# KiCad board digital_board_v1.kicad_pcb (continued)
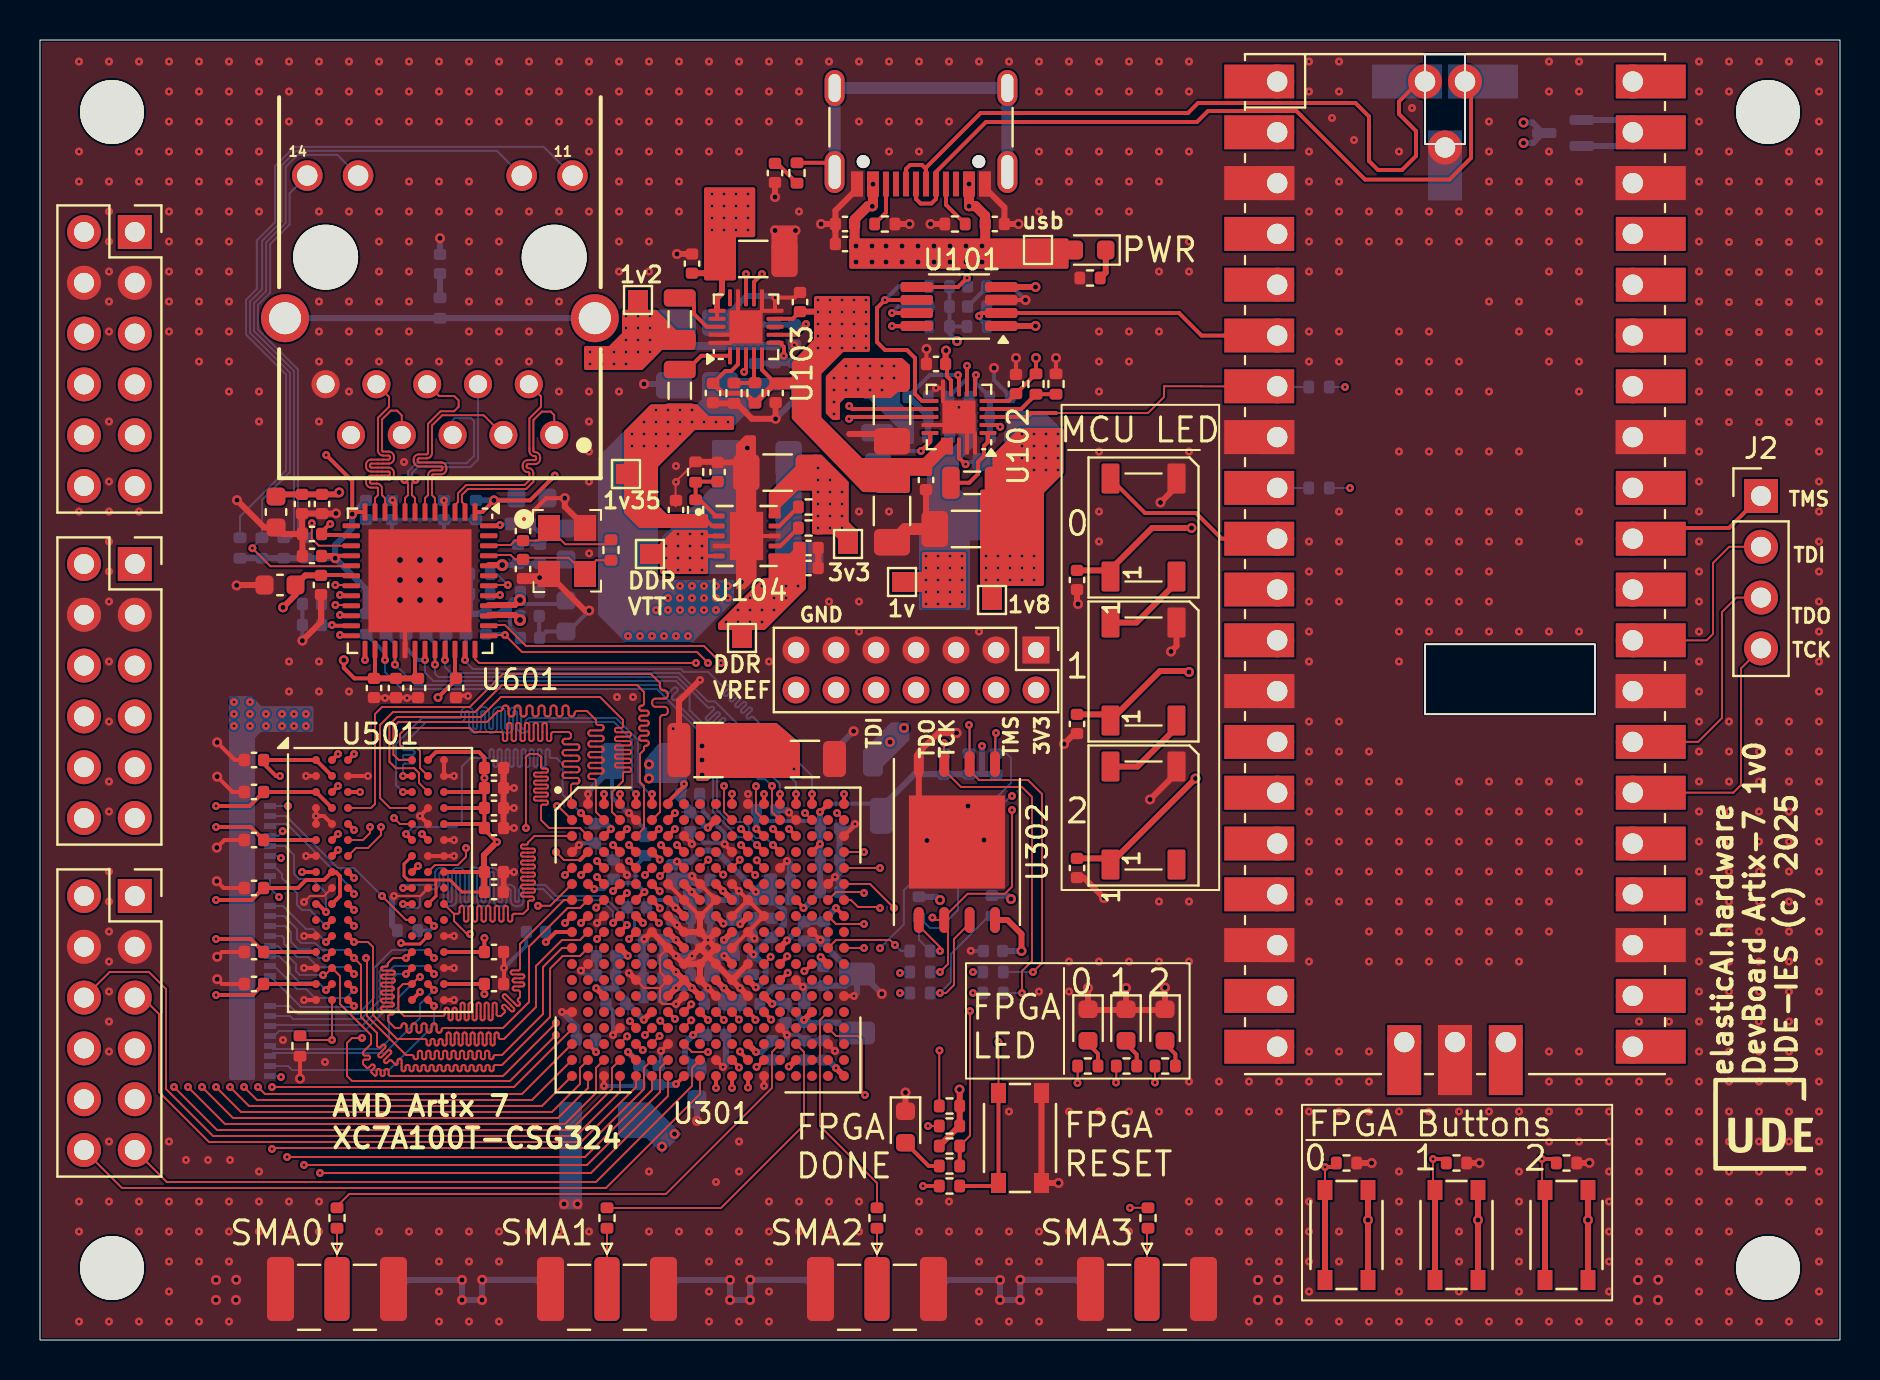
[diagram p0: board, top side]
## Routing (per net, layer and track width the routed paths; a pad name or vN(x,y) marks a point on that pad's centre or on a via; arc(x,y) is an arc through that point) (continued)
VCC_3V3: length 170.1
  F.Cu (signal) w0.1: v1(39.5,40.6) v1(40.1,40.6) v1(40.1,41.2) v1(40.1,41.8) v1(40.1,42.4) ; v1(39.5,40.6) R121.1 ; v1(39.5,40.6) v1(39.5,41.2) v1(39.5,41.8) v1(39.5,42.4) v1(39.5,43)
  F.Cu (signal) w0.2: v1(30.22,22.4) 30.2,22.4 U301.G5 ; U301.A7 31.4,26.9 32.2,27.7 v1(32.2,27.8) ; v1(38.18,21.6) 38.13,21.65 38.13,21.67 U301.G15 ; U601.12 15.72,41.4 v2(15.61,41.29) 15.61,42.95 v1(14.31,44.25) ; v1(25.74,43.22) 24.5,41.98 v2(22.7,41.98) 22.12,41.4 U601.1 ; U301.R9 v1(32.65,15.25) ; 38.49,43.4 38.49,43.26 36.73,41.5 U104.10 ; U301.D6 30.61,24.4 v1(30.99,24.02) ; U301.J1 25.79,20.4 v1(25.29,19.9) ; U601.34 20.75,33.13 C603.1 20.8,33.03 v4(19.9,32.12) ; U301.U5 v1(29.4,14.4) ; U301.D16 v1(39,24.8) ; U301.H18 v1(39.8,21.6) ; v1(39,26.4) U301.A17 ; v1(27.71,22.55) 27.46,22.8 U301.F2 ; v2(14.76,39.09) 14.88,39.21 U601.16 ; U301.C3 v1(28.55,25.55) ; U301.K14 37,19.62 ; v1(36.61,16.81) 36.59,16.81 ; U301.T2 v1(27.8,14.4) ; v1(35.81,25.56) 36.18,25.2 U301.C13 ; R404.1 v1(44.15,7.7) ; v1(37.44,13.67) 37.47,13.67 ; U301.V8 v1(31.8,12.8)
  F.Cu (signal) w0.3: v2(14.76,39.09) 14.65,39.2 C605.1 ; 38.94,42.95 38.49,43.4 ; U301.T12 v1(35.8,14.4) ; U301.N3 v1(27.81,17.59) ; U301.P6 30.58,16.4 v1(30.19,16.01) ; U301.K14 37,19.63 v1(37.35,19.98) ; U301.P16 v1(38.2,16) ; 22.44,36.75 23.75,36.75 v3(24,37) ; S303.2 v2(77.4,6) S303.1 ; S302.2 v2(71.9,6) S302.1 ; 36.59,16.81 U301.N13 ; S301.1 v2(66.4,6) S301.2 ; v2(49.07,19.45) 49.07,20.3 48.38,21 U302.8 ; U301.K4 v1(29.39,19.21) ; 37.47,13.67 U301.U15 ; v1(39.8,13.6) U301.V18 ; v1(39.03,19.15) 39.38,18.8 U301.L17 ; R401.1 45.97,10.7 R405.1 R403.1 45.99,12.51 v2(45.97,12.53) ; v1(33.39,25.62) 33.78,26 U301.B10
  F.Cu (signal) w0.5: R121.1 R124.1 38.94,42.95
  In1.Cu (GND) w0.1: 39.5,48.2 39.6,48.1 40.2,48.1 40.3,48.2
  In4.Cu (PWR) w0.2: 31.02,24 30.37,24 29.8,23.43 29.8,22.82 v1(30.22,22.4)
  B.Cu (signal) w0.1: v1(39.7,47.5) v1(39.7,46.9) v1(39.7,46.3) ; v1(39.7,47.5) v1(39.7,48.1) ; v1(39.7,47.5) v1(40.3,47.5) v1(40.3,48.1) v1(40.3,48.7) v1(40.9,48.7) ; v1(42.7,48.1) v1(42.1,48.1) v1(42.1,48.7) ; v1(42.1,47.5) v1(41.5,47.5) v1(41.5,48.1) v1(41.5,48.7) ; 36.05,26.42 35.89,26.42 C308.2 ; v1(40.9,48.7) v1(41.5,48.7) ; v1(40.9,48.7) v1(40.9,48.1) v1(40.9,47.53) ; v1(41.5,48.7) v1(42.1,48.7) ; v1(42.1,48.7) v1(42.7,48.7)
  B.Cu (signal) w0.2: 29.77,22.85 29.77,23.71 30.26,24.19 C316.2 30.8,24.21 v1(30.99,24.02) ; 29.77,22.85 28.48,22.85 28.18,22.55 v1(27.71,22.55) ; 29.77,22.85 v1(30.22,22.4) ; C601.1 26.12,36.8 24.2,36.8 v3(24,37) 23.8,37 23.5,36.7 23.5,35.62 C602.1 ; C318.2 25.29,20.39 v1(25.29,19.9) ; 30.4,28.12 v2(30.45,28.07) v2(30.45,28.78) ; 31.15,28.95 C321.2 ; C314.2 42.07,26.54 41.8,26.81 41.8,26.82 39.42,26.82 v1(39,26.4) 39,25.95 35.87,25.95 35.82,26
  B.Cu (signal) w0.3: v1(39.8,21.6) 39.18,20.98 C311.2 C312.2 38.22,20.85 v1(37.35,19.98) ; 47.1,28.29 R320.1 ; 47.1,28.29 R319.1 R317.1 43.72,28.29 42.07,26.64 ; 47.1,28.29 v1(47.1,29.7) ; R607.2 R608.2 R601.2 R602.2 R603.2 R604.2 16.3,37.55 v2(14.76,39.09) ; R607.2 R615.2 22.97,36.31 23.66,37 v3(24,37) 24,37.38 C604.1 ; R607.2 21.49,36.5 R609.2 R616.2 ; v2(14.76,39.09) 14.76,39.75 15.61,40.6 v2(15.61,41.29) C607.1 ; v2(14.76,39.09) R606.2 R611.2 R605.2 R610.2 ; v2(45,22) 44.84,22.16 R318.1 ; 28.74,17.58 28.79,17.63 C327.2 ; 28.74,17.58 27.82,17.58 v1(27.81,17.59) ; 28.74,17.58 29.26,17.06 C323.2 29.4,16.8 v1(30.19,16.01) ; 28.74,17.58 28.74,18.2 C327.2 ; 38.22,15.87 38.2,15.9 v1(38.2,16) ; 38.22,15.87 38.22,15.88 C302.2 36.63,16.83 v1(36.61,16.81) ; 38.22,15.87 39.93,15.87 40.45,15.35 C307.2 ; C303.2 36.62,14.94 36.08,14.4 v1(35.8,14.4) ; C301.2 39.03,18.82 v1(39.03,19.15) ; C327.2 C322.2 28.81,19.21 v1(29.39,19.21) ; v1(33.39,25.62) 33.32,25.62 32.56,26.38 C317.2 32.5,26.55 32.02,27.03 C319.2 32.2,27.48 v1(32.2,27.8) 32.2,28.33 C321.2 ; v2(49.07,19.45) C144.1 ; v1(31.8,12.8) 31.76,12.76 C324.2 C326.2 29.97,13.83 v1(29.4,14.4) ; C308.2 35.82,25.57 v1(35.81,25.56) ; v1(27.8,14.4) 27.78,14.42 C325.2 ; C402.1 32.66,15.26 v1(32.65,15.25) 32.25,14.85 32.25,14.19 C401.1 ; C305.2 39.4,14 v1(39.8,13.6) ; v1(39,26.4) v1(39,24.8) 39.01,24.79 39.01,22.4 39,22.4 38.2,21.6 v1(38.18,21.6) ; R316.1 48.38,22.22 v2(48.55,22.05) ; C606.1 23.71,41.98 v2(22.7,41.98) C608.1 ; C315.2 28.29,25.81 v1(28.55,25.55) ; C328.2 29.78,11 v2(31.1,9.68) v2(31.72,10.3)
  B.Cu (signal) w0.5: R111.1 43.39,45.18
  vias: v1(38.9,43.6) v1(38.9,43) v1(38.9,42.4) v1(38.9,41.8) v1(38.9,41.2) v1(38.9,40.6)
/Board PWR/EN_1V: length 14.8
  F.Cu (signal) w0.2: U102.13 40.54,46.15 v1(40.45,46.06) ; U101.8 v1(42.6,50.7)
  In5.Cu (signal) w0.2: v1(42.6,50.7) 43.7,49.6 43.7,47.4 42.35,46.05 40.46,46.05 v1(40.45,46.06)
  B.Cu (signal) w0.2: v1(42.6,50.7) 42.62,50.67 R102.2
/Board PWR/EN_1V8: length 14.8
  F.Cu (signal) w0.2: v1(40.46,46.7) 40.61,46.55 U102.12 ; U101.7 v1(42.6,51.35)
  In5.Cu (signal) w0.2: v1(40.46,46.7) 42.2,46.7 43.2,47.7 43.2,49.4 42.1,50.5 42.1,50.9 42.55,51.35 v1(42.6,51.35)
  B.Cu (signal) w0.2: v1(42.6,51.35) 42.93,51.67 R103.2
/Board PWR/EN_3V3: length 11.3
  F.Cu (signal) w0.2: U101.6 v1(42.25,52) 41.85,51.6 41.85,49.9 42.25,49.5 43.35,49.5 43.75,49.1 43.75,47.3 44.1,46.95 U102.11
  B.Cu (signal) w0.2: v1(42.25,52) 42.93,52.67 R104.2
/DDR3_VTT: length 13
  F.Cu (signal) w0.2: v1(32.5,39.1) v1(32.5,38.5) ; v1(33.1,40.3) 33.2,40.2 U104.3 ; v1(33.1,38.5) v1(33.1,39.1) 33.2,39.2 U104.5
  In4.Cu (PWR) w0.1: 9.85,31.15 9.85,31.25 9.9,31.3 9.9,31.96 9.89,31.97 9.86,31.97 9.85,31.96
  B.Cu (signal) w0.1: 9.95,21.65 9.95,30.45 v1(9.7,30.7)
  vias: v1(9.7,31.9) v1(9.7,31.3) v1(10.5,31.9) v1(10.5,31.3) v1(10.5,30.7) v1(11.3,31.3) v1(11.3,30.7) v1(12.1,31.3) v1(12.1,30.7) v1(12.7,31.3) v1(12.7,30.7) v1(13.3,31.3) v1(13.3,30.7) v1(31.3,39.7) v1(31.3,39.1) v1(31.3,38.5) v1(31.9,40.3) v1(31.9,39.7) v1(31.9,39.1) v1(31.9,38.5) v1(32.5,40.3) v1(32.5,39.7) v1(33.1,39.7)
/DDR_VDD: length 142.7
  F.Cu (signal) w0.1: 32.1,37.7 32,37.8 ; 33.8,37.8 33.7,37.7 ; 33.1,37.7 33.2,37.8 33.3,37.7 ; 32.1,37.1 32,37.2 31.9,37.1 ; C506.2 22.02,27.4 ; 32.5,37.7 32.6,37.8 32.7,37.7 ; 22.02,25.8 C505.2 ; 32.6,37.2 32.5,37.1
  F.Cu (signal) w0.15: C502.2 21.1,22.4 20.5,23 19.8,23 ; 19.8,23 19.8,22.2 U501.K8 ; 19.8,23 18.4,23 18.2,23.2 18.2,23.8 U501.G7
  F.Cu (signal) w0.2: U501.F1 C513.2 10.53,25.65 v1(8.8,25.65) ; U501.N9 C510.2 v1(22.22,20.1) ; v1(22.85,24.9) 22.22,25.53 C505.2 C503.2 ; U501.D2 U501.C1 C512.2 10.48,26.7 v1(8.8,26.7) ; U501.B2 U501.A1 C511.2 11.18,28.82 11.8,28.2 v1(12,28.2) ; v1(8.8,17.25) 10.63,17.25 C509.2 U501.R1 ; C503.2 C506.2 v1(22.22,28.1) C501.2 22.22,29.13 21.95,29.4 19.8,29.4 U501.A8 ; C503.2 U501.D9 ; C504.2 U501.H9 ; v1(22.22,17.3) C507.2 U501.R9 ; 32.2,46.4 32.35,46.4 ; v1(32,45.9) v1(32,45.3) ; U104.2 33.6,40.7 33.31,40.99 R122.1 32.68,40.89 31.83,40.89 31.8,40.92 ; U501.E9 22.02,25.8 ; v1(30.8,45.9) v1(30.8,46.5) ; v1(8.8,22) 10.58,22 C514.2 12.9,22.6 13.3,23 14.2,23 U501.H2 14.79,23.4 15,23.19 15,22.2 U501.K2 ; U501.N1 C508.2 10.53,20.05 v1(8.8,20.05) ; 22.02,27.4 U501.C9
  F.Cu (signal) w0.3: L105.1 31.99,46.4 32.35,46.4 ; v1(22.85,24.9) 22.2,24.25 22.2,23.42 C504.2 C502.2
  In4.Cu (PWR) w0.1: v1(12,28.2) 12.05,28.15 12.05,27.4 ; v1(22.85,24.9) 22.85,27.47 v1(22.22,28.1) 21.72,27.6 19.2,27.6 19,27.8 17.5,27.8 16.1,26.4 16.1,24.9 15.3,24.9 ; 19.2,17.8 19.18,17.78 18.68,17.78 18.65,17.75 17.95,17.75 17.8,17.9 15.15,17.9 15,17.75 15,17.1 14.1,16.2 9.85,16.2 v1(8.8,17.25) 8.17,17.88 8.17,19.42 v1(8.8,20.05) 8.15,20.7 8.15,21.35 v1(8.8,22) 8.19,22.61 8.19,25.04 v1(8.8,25.65) 9.55,24.9 15.3,24.9 ; 12.05,27.4 14.1,27.4 15.3,26.2 15.3,24.9 ; 12.05,27.4 10.3,27.4 9.6,26.7 v1(8.8,26.7) ; v1(22.22,17.3) v1(22.22,20.1)
  In4.Cu (PWR) w0.2: v1(22.22,28.1) 22.5,28.1 23.62,29.22 25.47,29.22
  B.Cu (signal) w0.2: v1(32,46.5) v1(32,45.9) ; v1(32,46.5) v1(31.4,46.5) v1(31.4,45.9) ; v1(32,46.5) v1(32.6,46.5) v1(32.6,45.9) v1(33.2,45.9) v1(33.8,45.9) v1(34.4,45.9) ; v1(31.4,45.9) v1(30.8,45.9) v1(30.2,45.9) v1(30.2,45.3) ; v1(31.4,45.9) v1(31.4,45.3) ; v1(31.4,45.3) v1(31.4,44.7) ; v1(31.4,45.3) v1(30.8,45.3) v1(30.8,44.7) ; v1(30.2,45.3) v1(30.2,44.7) ; v1(30.2,45.3) v1(29.6,45.3) v1(29.6,44.7)
  B.Cu (signal) w0.3: C121.1 34.13,47.87 35.7,47.87 35.74,47.83 36.7,47.83
  vias: v1(29.4,35.2) v1(30,35.2) v1(30.6,35.2) v1(30.8,36.5) v1(31.2,35.2) v1(31.4,37.1) v1(31.4,36.5) v1(31.8,35.2) v1(32,37.7) v1(32,37.1) v1(32,36.5) v1(32.4,35.2) v1(32.6,37.7) v1(32.6,37.1) v1(32.6,36.5) v1(33.2,37.7) v1(33.2,37.1) v1(33.2,36.5) v1(33.8,37.7) v1(33.8,37.1) v1(33.8,36.5) v1(34.4,37.7) v1(34.4,37.1)
/DDR_VREF: length 21.4
  F.Cu (signal) w0.1: 18.1,19.8 v1(18.05,19.85)
  F.Cu (signal) w0.15: 18.1,19.8 19,19.8 U501.M8
  F.Cu (signal) w0.2: U104.6 37.46,39.2 37.95,38.71 C131.1 37.95,37.75 v1(37.9,37.7) v1(37.3,37.7) ; v1(35.5,36.5) v1(35.5,35.9) ; v1(35.5,36.5) v1(34.9,36.5) v1(34.9,35.9) v1(34.3,35.9) ; v1(35.5,36.5) v1(35.5,37.1) v1(36.1,37.1) ; v1(36.1,37.1) v1(36.1,37.7) v1(36.7,37.7) v1(37.3,37.7) ; v1(36.1,37.1) v1(36.1,36.5) v1(36.1,35.9) ; v1(37.3,37.7) v1(37.3,37.1) v1(36.7,37.1) v1(36.7,36.5) ; v1(13.1,23.4) U501.H1
  F.Cu (signal) w0.3: C130.1 C131.1
  In4.Cu (PWR) w0.1: v1(13.1,23.4) 13.6,23.4 15.2,21.8 15.2,21.3 15.4,21.1 16.4,21.1 17.65,19.85 v1(18.05,19.85)
/Ethernet/ETH_LED1: length 39.5
  F.Cu (signal) w0.1: v1(10.62,39.59) 11.52,38.69 15.54,38.69 U601.17
  B.Cu (signal) w0.1: v1(10.62,39.59) 10.62,39.63 R605.1 11.1,42 12.5,43.4 12.5,48.37 10.5,50.37 10.5,51.93 11.11,52.54 11.11,54.97 12.08,55.94 12.08,58.73 12.81,59.46 22.84,59.46 J601.12
/Ethernet/ETH_LED2: length 24
  F.Cu (signal) w0.1: U601.15 13.94,39.71 13.59,40.06 v1(13.59,40.84)
  B.Cu (signal) w0.1: v1(13.59,40.84) 13.59,40.41 R606.1 13.04,40.11 12.9,40.25 12.9,48.53 10.9,50.53 10.9,51.76 11.51,52.37 11.51,54.8 12.48,55.77 12.48,57.33 J601.14
/Ethernet/ETH_TRX0_N: length 11
  F.Cu (signal) w0.1: 20.75,41.44 20.75,41.75 20.9,41.9 20.9,42.34 21.31,42.75 24.23,42.75 24.47,42.99 24.47,43.34 arc(24.45,43.38) 24.41,43.4 24.39,43.4 arc(24.21,43.47) 24.13,43.66 24.13,43.74 arc(24.21,43.92) 24.39,44 24.75,44 arc(24.79,44.01) 24.81,44.06 24.81,44.14 arc(24.79,44.18) 24.75,44.2 24.73,44.2 arc(24.55,44.27) 24.47,44.46 24.47,46.08 25.05,46.66 25.05,47.18 J601.2
/Ethernet/ETH_TRX0_P: length 11
  F.Cu (signal) w0.1: J601.1 25.71,46.25 25.54,46.42 25.09,46.42 24.67,46 24.67,44.46 arc(24.69,44.41) 24.73,44.4 24.75,44.4 arc(24.93,44.32) 25.01,44.14 25.01,44.06 arc(24.93,43.87) 24.75,43.8 24.39,43.8 arc(24.35,43.78) 24.33,43.74 24.33,43.66 arc(24.35,43.61) 24.39,43.6 24.41,43.6 arc(24.59,43.52) 24.67,43.34 24.67,42.91 24.31,42.55 21.39,42.55 21.1,42.26 21.1,41.9 21.25,41.75 21.25,41.44
/Ethernet/ETH_TRX1_N: length 11
  F.Cu (signal) w0.1: J601.6 19.95,47.2 20.71,47.2 20.93,46.98 20.93,46.66 20.71,46.44 20.03,46.44 19.4,45.81 19.4,44.34 arc(19.38,44.3) 19.34,44.28 18.94,44.28 arc(18.76,44.21) 18.68,44.02 18.68,43.94 arc(18.76,43.76) 18.94,43.68 20.06,43.68 arc(20.1,43.67) 20.12,43.62 20.12,43.54 arc(20.1,43.5) 20.06,43.48 19.66,43.48 arc(19.48,43.41) 19.4,43.22 19.4,42.24 19.25,42.09 19.25,41.44
/Ethernet/ETH_TRX1_P: length 11
  F.Cu (signal) w0.1: 19.75,41.44 19.75,42.09 19.6,42.24 19.6,43.22 arc(19.62,43.27) 19.66,43.28 20.06,43.28 arc(20.24,43.36) 20.32,43.54 20.32,43.62 arc(20.24,43.81) 20.06,43.88 18.94,43.88 arc(18.9,43.9) 18.88,43.94 18.88,44.02 arc(18.9,44.07) 18.94,44.08 19.34,44.08 arc(19.52,44.16) 19.6,44.34 19.6,45.73 20.11,46.24 22.18,46.24 J601.3
/Ethernet/ETH_TRX2_N: length 9.5
  F.Cu (signal) w0.1: v1(18.22,43) 18.4,42.83 18.4,42.24 18.25,42.09 18.25,41.44
  B.Cu (signal) w0.1: J601.5 20.63,45.98 20.75,46.1 21.55,46.1 21.7,45.95 21.7,44.21 21.33,43.84 18.81,43.84 18.4,43.43 18.4,43.17 v1(18.22,43)
/Ethernet/ETH_TRX2_P: length 9.5
  F.Cu (signal) w0.1: v1(18.78,43) 18.6,42.83 18.6,42.24 18.75,42.09 18.75,41.44
  B.Cu (signal) w0.1: v1(18.78,43) 18.6,43.17 18.6,43.35 18.89,43.64 21.51,43.64 21.9,44.03 J601.4
/Ethernet/ETH_TRX3_N: length 11
  F.Cu (signal) w0.1: J601.8 17.45,47.16 17.45,46.66 16.9,46.11 16.9,44.48 arc(16.98,44.3) 17.16,44.22 17.44,44.22 arc(17.48,44.2) 17.5,44.16 17.5,44.08 arc(17.48,44.04) 17.44,44.02 16.56,44.02 arc(16.38,43.94) 16.3,43.76 16.3,43.68 arc(16.38,43.5) 16.56,43.42 17.44,43.42 arc(17.48,43.4) 17.5,43.36 17.5,43.28 arc(17.48,43.24) 17.44,43.22 16.56,43.22 arc(16.38,43.14) 16.3,42.96 16.3,42.88 arc(16.38,42.7) 16.56,42.62 16.84,42.62 arc(16.88,42.6) 16.9,42.56 16.9,42.24 16.75,42.09 16.75,41.44
/Ethernet/ETH_TRX3_P: length 11
  F.Cu (signal) w0.1: J601.7 18.09,46.23 17.85,46.47 17.54,46.47 17.1,46.03 17.1,44.48 arc(17.12,44.44) 17.16,44.42 17.44,44.42 arc(17.62,44.34) 17.7,44.16 17.7,44.08 arc(17.62,43.9) 17.44,43.82 16.56,43.82 arc(16.52,43.8) 16.5,43.76 16.5,43.68 arc(16.52,43.64) 16.56,43.62 17.44,43.62 arc(17.62,43.54) 17.7,43.36 17.7,43.28 arc(17.62,43.1) 17.44,43.02 16.56,43.02 arc(16.52,43) 16.5,42.96 16.5,42.88 arc(16.52,42.84) 16.56,42.82 16.84,42.82 arc(17.02,42.74) 17.1,42.56 17.1,42.24 17.25,42.09 17.25,41.44
/Ethernet/QRZ_ETH_N: length 6.9
  F.Cu (signal) w0.1: 22.44,39.25 23.53,39.25 23.75,39.03 C627.1 24.23,39.11 26.44,39.11 Y601.3 27.25,38.43 27.81,38.99 R614.2
/Ethernet/QRZ_ETH_P: length 6.9
  F.Cu (signal) w0.1: 22.44,39.75 23.53,39.75 23.75,39.97 C626.1 24.9,39.97 25.45,40.52 Y601.1 26.26,39.79 28.33,39.79 R614.1
/FPGA IO-Bank 1/FL_QSPI_DQ2: length 17.8
  F.Cu (signal) w0.1: v1(49.1,17.35) 49.1,18.45 49.6,18.95 49.6,27.15 49.1,27.65 46.05,27.65 45.22,28.49 45.22,28.94 45.2,28.96 v1(45.2,29.85)
  B.Cu (signal) w0.1: R317.2 v1(45.2,29.85) ; v1(49.1,17.35) R303.1
/FPGA IO-Bank 1/FL_QSPI_DQ3: length 10.1
  F.Cu (signal) w0.1: 46.49,21.14 46.49,20.84 45.7,20.05 45.7,17.75 45.3,17.35 v1(45,17.35)
  B.Cu (signal) w0.1: R316.2 47.49,21.09 47.34,21.09 45.55,19.3 45.55,17.9 v1(45,17.35) R304.1
/FPGA IO-Bank 1/FPGA_BUTTON0: length 39
  F.Cu (signal) w0.1: 64.25,7.45 v1(64.25,8.65)
  F.Cu (signal) w0.2: R313.2 64.62,8.65 v1(64.25,8.65) ; v1(33.8,12.6) U301.V10
  F.Cu (signal) w0.3: S301.3 S301.4
  In5.Cu (signal) w0.1: v1(33.8,12.6) 37.75,8.65 v1(64.25,8.65)
/FPGA IO-Bank 1/FPGA_BUTTON1: length 44.1
  F.Cu (signal) w0.1: v1(69.65,9.05) 69.65,7.5
  F.Cu (signal) w0.2: R314.2 70.12,9.05 v1(69.65,9.05) ; U301.V11 v1(34.6,12.6)
  F.Cu (signal) w0.3: S302.3 S302.4
  In5.Cu (signal) w0.1: v1(34.6,12.6) 34.6,12.35 37.65,9.3 69.4,9.3 v1(69.65,9.05)
/FPGA IO-Bank 1/FPGA_BUTTON2: length 50
  F.Cu (signal) w0.1: 75.1,7.55 v1(75.1,9.05) ; v1(34.95,13.62) 34.91,13.67 34.91,13.69
  F.Cu (signal) w0.2: 34.91,13.69 U301.U11 ; v1(75.1,9.05) 75.62,9.05 R315.2
  F.Cu (signal) w0.3: S303.3 S303.4
  In5.Cu (signal) w0.1: v1(34.95,13.62) 34.95,13.61 34.95,13.61 34.95,12.58 37.6,9.93 74.22,9.93 v1(75.1,9.05)
/FPGA IO-Bank 1/FPGA_LED0: length 18.2
  F.Cu (signal) w0.1: 51.88,13.55 51.88,12.85 v1(51.88,12.85)
  F.Cu (signal) w0.2: v1(35.4,12.62) U301.V12
  In2.Cu (signal) w0.1: v1(35.4,12.62) 35.68,12.35 36.63,12.35 37.28,12.99 51.74,12.99 v1(51.88,12.85)
/FPGA IO-Bank 1/FPGA_LED1: length 21.1
  F.Cu (signal) w0.1: v1(53.8,12.88) 53.81,12.89 53.81,13.55 ; v1(35,14.42) 35,14.4
  F.Cu (signal) w0.2: 35,14.4 U301.U12
  In2.Cu (signal) w0.1: v1(35,14.42) 35.38,14.05 35.38,13.45 35.6,13.22 53.45,13.22 v1(53.8,12.88)
/FPGA IO-Bank 1/FPGA_LED2: length 21.7
  F.Cu (signal) w0.1: v1(35.83,13.65) 35.85,13.65 ; 55.75,13.55 v1(55.75,12.88)
  F.Cu (signal) w0.2: 35.85,13.65 U301.U13
  In2.Cu (signal) w0.1: v1(55.75,12.88) 54.6,14.03 36.2,14.03 v1(35.83,13.65)
/FPGA IO-Bank 1/PMOD1_D0: length 57.2
  F.Cu (signal) w0.1: v1(11.6,12.65) 23.7,12.65 26.6,15.55 U301.R1
  In2.Cu (signal) w0.1: v1(11.6,12.65) 11.6,12.75 11.7,12.85 11.7,21.6 11.5,21.8 11.5,22.4 11.7,22.6 11.7,27.7 11.5,27.9 11.5,28.5 11.7,28.7 11.7,31.95 11.6,32.05 11.6,43.4 4.74,50.26 J305.5
/FPGA IO-Bank 1/PMOD1_D1: length 59.4
  F.Cu (signal) w0.1: U301.T1 24.1,12.3 11.25,12.3 v1(10.9,12.65)
  In2.Cu (signal) w0.1: v1(10.9,12.65) 10.9,38.9 11.11,39.11 11.11,40.19 10.81,40.49 10.81,43.61 5.37,49.05 3.47,49.05 J305.6
/FPGA IO-Bank 1/PMOD1_D2: length 55.8
  F.Cu (signal) w0.1: v1(10.2,12.65) 10.85,12 24.6,12 U301.U1
  In2.Cu (signal) w0.1: J305.7 5.77,47.78 10.3,43.25 10.3,39.77 10.27,39.74 10.27,39.44 10.1,39.28 10.1,38.03 10.23,37.9 10.23,37.56 10.1,37.43 10.1,12.75 v1(10.2,12.65)
/FPGA IO-Bank 1/PMOD1_D3: length 57.9
  F.Cu (signal) w0.1: U301.V1 25.1,11.7 10.45,11.7 v1(9.5,12.65)
  In2.Cu (signal) w0.1: v1(9.5,12.65) 9.35,12.8 9.35,43.5 6.3,46.55 3.43,46.55 J305.8
/FPGA IO-Bank 1/PMOD1_D4: length 56.1
  F.Cu (signal) w0.1: v1(8.8,12.65) 10.05,11.4 25.6,11.4 27,12.8 27,13.6 U301.U2
  In2.Cu (signal) w0.1: v1(8.8,12.65) 8.4,13.05 8.4,43.62 6.78,45.24 J305.9
/FPGA IO-Bank 1/PMOD1_D5: length 58.4
  F.Cu (signal) w0.1: U301.V2 27.4,12.6 25.9,11.1 9.65,11.1 v1(8.1,12.65)
  In2.Cu (signal) w0.1: J305.10 3.29,44.15 7.1,44.15 7.9,43.35 7.9,12.85 v1(8.1,12.65)
/FPGA IO-Bank 1/PMOD1_D6: length 57.2
  F.Cu (signal) w0.1: U301.U4 28.6,13.6 28.6,12.55 26.55,10.5 8.85,10.5 v1(6.7,12.65)
  In2.Cu (signal) w0.1: J305.11 6.55,42.7 6.7,42.55 v1(6.7,12.65)
/FPGA IO-Bank 1/PMOD1_D7: length 60
  F.Cu (signal) w0.1: U301.U3 27.8,13.6 27.8,12.35 26.25,10.8 9.25,10.8 v1(7.4,12.65)
  In2.Cu (signal) w0.1: v1(7.4,12.65) 7.4,43 6.6,43.8 3.3,43.8 J305.12
/FPGA IO-Bank 1/PMOD2_D0: length 32
  F.Cu (signal) w0.1: J306.5 5.13,17.12 5.95,16.3 5.95,12.4 8.45,9.9 27.05,9.9 29.8,12.65 U301.V5
/FPGA IO-Bank 1/PMOD2_D1: length 35.4
  F.Cu (signal) w0.1: U301.V4 29,12.4 26.8,10.2 8.65,10.2 6.3,12.55 6.3,17.55 5.45,18.4 3.48,18.4 J306.6
/FPGA IO-Bank 1/PMOD2_D2: length 32.9
  F.Cu (signal) w0.1: v1(14,8.35) 27.55,8.35 31.4,12.2 U301.V7
  In2.Cu (signal) w0.1: v1(14,8.35) 14,9.4 11.35,12.05 6.55,12.05 4.74,13.86 J306.7
/FPGA IO-Bank 1/PMOD2_D3: length 34
  F.Cu (signal) w0.1: U301.V6 30.6,12.5 27.25,9.15 v1(12.35,9.15)
  In2.Cu (signal) w0.1: v1(12.35,9.15) 12.35,9.55 11,10.9 4.05,10.9 3.5,11.45 3.5,13.28 J306.8
/FPGA IO-Bank 1/PMOD2_D4: length 31.3
  F.Cu (signal) w0.1: v1(13.2,8.75) 27.35,8.75 31,12.4 31,13.6 U301.U7
  In2.Cu (signal) w0.1: J306.9 5.23,11.55 11.1,11.55 13.2,9.45 v1(13.2,8.75)
/FPGA IO-Bank 1/PMOD2_D5: length 31.9
  F.Cu (signal) w0.1: v1(11.6,9.55) 11.65,9.55 11.7,9.6 27.25,9.6 30.2,12.55 30.2,13.6 U301.U6
  In2.Cu (signal) w0.1: J306.10 3.64,10.6 10.55,10.6 v1(11.6,9.55)
/FPGA IO-Bank 1/PMOD2_D6: length 32
  F.Cu (signal) w0.1: J306.11 6.34,7.9 27.8,7.9 32.6,12.7 32.6,13.6 U301.U9
/FPGA IO-Bank 1/PMOD2_D7: length 34.4
  F.Cu (signal) w0.1: J306.12 4.1,7.6 28.3,7.6 33,12.3 U301.V9
/FPGA IO-Bank 1/PMOD3_D0: length 45.6
  F.Cu (signal) w0.1: U301.T5 29.84,14.8 v1(30.14,14.49)
  In5.Cu (signal) w0.1: J307.5 5.68,33.72 10.55,28.85 10.55,12.45 11.15,11.85 26.85,11.85 28.95,13.95 29.6,13.95 v1(30.14,14.49)
/FPGA IO-Bank 1/PMOD3_D1: length 50.9
  F.Cu (signal) w0.1: v1(29.36,15.18) 29,14.82 U301.T4
  In5.Cu (signal) w0.1: v1(29.36,15.18) 26.33,12.15 11.5,12.15 11.25,12.4 11.25,30.15 10.9,30.5 10.9,33.1 9,35 3.48,35 J307.6
/FPGA IO-Bank 1/PMOD3_D2: length 47.2
  F.Cu (signal) w0.1: U301.R6 v1(30.25,15.25)
  In5.Cu (signal) w0.1: v1(30.25,15.25) 30.35,15.25 30.75,14.85 31.25,14.85 31.45,14.65 31.45,14.35 28.35,11.25 10.4,11.25 9.15,12.5 9.15,13.26 9.37,13.48 9.37,26.87 5.06,31.18 J307.7
/FPGA IO-Bank 1/PMOD3_D3: length 50.7
  F.Cu (signal) w0.1: U301.R5 29.8,15.64 v1(29.49,15.94)
  In5.Cu (signal) w0.1: v1(29.49,15.94) 29.49,15.8 29.8,15.5 29.8,15.1 30.05,14.85 30.4,14.85 30.6,14.65 30.6,14.4 27.75,11.55 10.7,11.55 9.85,12.4 9.85,28.25 5.7,32.4 3.42,32.4 J307.8
/FPGA IO-Bank 1/PMOD3_D4: length 47.2
  F.Cu (signal) w0.1: U301.R7 31.38,15.6 v1(31.01,15.96)
  In5.Cu (signal) w0.1: v1(31.01,15.96) 31.14,15.96 32,15.1 32,14 28.65,10.65 9.6,10.65 7.75,12.5 7.75,26.3 5.41,28.64 J307.9
/FPGA IO-Bank 1/PMOD3_D5: length 49.9
  F.Cu (signal) w0.1: v1(30.98,15.2) 30.6,14.82 U301.T6
  In5.Cu (signal) w0.1: v1(30.98,15.2) 31.5,15.2 31.7,15 31.7,14.15 28.5,10.95 10,10.95 8.45,12.5 8.45,13.27 8.28,13.44 8.28,27.17 5.55,29.9 3.46,29.9 J307.10
/FPGA IO-Bank 1/PMOD3_D6: length 45.8
  F.Cu (signal) w0.1: U301.R8 32.2,15.62 v1(32.56,15.99)
  In5.Cu (signal) w0.1: J307.11 6.25,26.1 7.05,25.3 7.05,12.5 9.2,10.35 28.75,10.35 32.3,13.9 32.3,15.72 v1(32.56,15.99)
/FPGA IO-Bank 1/PMOD3_D7: length 48.2
  F.Cu (signal) w0.1: U301.T8 32.6,14.4 v1(33.4,14.4)
  In5.Cu (signal) w0.1: v1(33.4,14.4) 33.4,13.9 29.55,10.05 8.8,10.05 6.35,12.5 6.35,24.1 5.75,24.7 3.4,24.7 2.2,25.9 J307.12
/FPGA IO-Bank 1/SMA1: length 26.6
  F.Cu (signal) w0.1: U301.T14 36.6,14.4 36.6,12.6 31.3,7.3 15.46,7.3 14.85,6.69
/FPGA IO-Bank 1/SMA2: length 15.9
  F.Cu (signal) w0.1: U301.T15 38.2,14.4 38.2,10.75 34.05,6.6 28.39,6.6 28.3,6.69
/FPGA IO-Bank 1/SMA3: length 11.2
  F.Cu (signal) w0.1: U301.P17 39,16 39,10.7 41.85,7.85 41.85,6.65 41.8,6.6
/FPGA IO-Bank 1/SMA4: length 21.5
  F.Cu (signal) w0.1: U301.R17 39.8,15.2 40.9,15.2 41.1,15 41.1,12.4 v1(41.25,12.25) ; v1(54.5,6.61) R312.1 55.4,6.75 55.35,6.8
  In2.Cu (signal) w0.1: v1(41.25,12.25) 46.9,6.6 54.49,6.6 v1(54.5,6.61)
/FPGA IO-Bank 2/F_CFGBVS: length 15.7
  F.Cu (signal) w0.1: R405.2 v1(44.4,10.7) ; v1(32.56,16.79) 32.56,16.76
  F.Cu (signal) w0.2: 32.56,16.76 U301.P8
  In5.Cu (signal) w0.1: v1(32.56,16.79) 32.92,16.43 33.61,16.43 33.8,16.24 33.8,15.82 34.16,15.46 36.44,15.46 41.2,10.7 v1(44.4,10.7)
/FPGA IO-Bank 2/FPGA_JTAG_TCK: length 16.6
  F.Cu (signal) w0.1: U301.E10 34.13,23.27 v1(34.16,23.27)
  In5.Cu (signal) w0.1: 45.85,32.5 41.15,27.8 40.05,27.8 39.35,27.1 39.35,26.16 37.5,24.3 37.1,24.3 36.4,23.6 34.49,23.6 v1(34.16,23.27)
/FPGA IO-Bank 2/FPGA_JTAG_TDI: length 12.6
  F.Cu (signal) w0.1: v1(34.99,24.01) 34.99,23.99 U301.E11
  In5.Cu (signal) w0.1: v1(34.99,24.01) 35.45,24.47 35.45,24.95 35.65,25.15 36.04,25.15 36.2,25.31 36.2,25.9 37.15,26.85 37.9,26.85 38.15,27.1 38.15,28.8 41.85,32.5
/FPGA IO-Bank 2/FPGA_JTAG_TDO: length 12.9
  F.Cu (signal) w0.1: U301.E13 35.84,23.96 v1(35.84,23.99)
  In5.Cu (signal) w0.1: 43.85,32.5 43.85,32 38.55,26.7 38.1,26.7 37.8,26.4 37.8,25.4 36.38,23.99 v1(35.84,23.99)
/FPGA IO-Bank 2/FPGA_JTAG_TMS: length 16.7
  F.Cu (signal) w0.1: v1(35.76,23.25) 35.41,23.6 U301.E12
  In5.Cu (signal) w0.1: 47.85,32.5 47.85,32.45 46.85,31.45 45.9,31.45 40,25.55 39.15,25.55 37.75,24.15 37.75,24.08 37.75,24.08 37.75,23.8 37.45,23.5 37.1,23.5 36.85,23.25 v1(35.76,23.25)
/MCU/MCU_JTAG_TCK: length 12.8
  F.Cu (signal) w0.1: U11.26 84.66,27.37 85.05,27.75 85.05,33.58 J2.4
/MCU/MCU_JTAG_TDI: length 10.4
  F.Cu (signal) w0.1: J2.2 84.46,39.66 83.65,38.85 83.65,35.3 83.34,34.99 U11.29
/MCU/MCU_JTAG_TDO: length 12.5
  F.Cu (signal) w0.1: U11.27 82.91,29.91 84.1,31.1 84.1,36.4 84.82,37.12 J2.3
/MCU/MCU_JTAG_TMS: length 7.3
  F.Cu (signal) w0.2: U11.31 80.18,40.6 84.45,40.6 J2.1
  B.Cu (signal) w0.2: 79.63,40.06 U11.31
/MCU/MCU_LEDS: length 9.6
  F.Cu (signal) w0.2: D201.4 55.25,41.35 57.8,41.35 59.09,40.06 U11.10
/MCU/USB0_DN: length 37
  F.Cu (signal) w0.2: 43.8,57.78 43.8,57.05 44.03,56.83 44.57,56.83 44.8,57.05 44.8,57.78 ; 71.55,62.92 71.55,59.1 70.47,58.03 66.25,58.03 62.82,61.45 58.4,61.45 57.85,60.9 47.3,60.9 44.8,58.4 J3.B7 ; 71.55,62.88 71.5,62.92
/MCU/USB0_DP: length 37
  F.Cu (signal) w0.2: J3.B6 43.3,58.55 43.5,58.75 44.1,58.75 44.3,58.55 J3.A6 44.3,58.62 47.03,61.35 57.4,61.35 57.9,61.85 65.78,61.85 66.45,61.17 66.45,58.95 66.9,58.5 68.1,58.5 68.8,59.2 68.8,60.45 67.95,61.3 67.95,61.93 68.95,62.92 ; 68.85,62.78 69,62.92
DDR3_A0: length 33.9
  F.Cu (signal) w0.1: v1(15.7,19.1) 16.05,18.75 16.05,16.15 16.85,15.35 16.85,14.7 16.9,14.65 arc(16.96,14.63) 17.01,14.65 17.12,14.76 arc(17.18,14.78) 17.23,14.76 17.26,14.73 arc(17.28,14.67) 17.26,14.61 16.94,14.29 arc(16.91,14.23) 16.94,14.18 16.96,14.15 arc(17.02,14.12) 17.08,14.15 17.4,14.47 arc(17.46,14.5) 17.52,14.47 17.54,14.44 arc(17.57,14.39) 17.54,14.33 17.22,14.01 arc(17.19,13.95) 17.22,13.89 17.25,13.87 arc(17.3,13.84) 17.36,13.87 17.47,13.97 arc(17.52,13.99) 17.58,13.97 17.8,13.75 arc(17.86,13.77) 17.88,13.83 17.88,13.98 arc(17.9,14.04) 17.96,14.06 18,14.06 arc(18.06,14.04) 18.08,13.98 18.08,13.52 arc(18.1,13.46) 18.16,13.44 18.2,13.44 arc(18.26,13.46) 18.28,13.52 18.28,13.67 arc(18.3,13.73) 18.36,13.75 18.4,13.75 arc(18.46,13.73) 18.48,13.67 18.48,13.52 arc(18.5,13.46) 18.56,13.44 18.6,13.44 arc(18.66,13.46) 18.68,13.52 18.68,13.67 arc(18.7,13.73) 18.76,13.75 18.8,13.75 arc(18.86,13.73) 18.88,13.67 18.88,13.52 arc(18.9,13.46) 18.96,13.44 19,13.44 arc(19.06,13.46) 19.08,13.52 19.08,13.67 arc(19.1,13.73) 19.16,13.75 19.2,13.75 arc(19.26,13.73) 19.28,13.67 19.28,13.52 arc(19.3,13.46) 19.36,13.44 19.4,13.44 arc(19.46,13.46) 19.48,13.52 19.48,13.67 arc(19.5,13.73) 19.56,13.75 19.6,13.75 arc(19.66,13.73) 19.68,13.67 19.68,13.52 arc(19.7,13.46) 19.76,13.44 19.8,13.44 arc(19.86,13.46) 19.88,13.52 19.88,13.67 arc(19.9,13.73) 19.96,13.75 20,13.75 arc(20.06,13.73) 20.08,13.67 20.08,13.52 arc(20.1,13.46) 20.16,13.44 20.2,13.44 arc(20.26,13.46) 20.28,13.52 20.28,13.67 arc(20.3,13.73) 20.36,13.75 20.4,13.75 arc(20.46,13.73) 20.48,13.67 20.48,13.52 arc(20.5,13.46) 20.56,13.44 20.6,13.44 arc(20.66,13.46) 20.68,13.52 20.68,13.67 arc(20.7,13.73) 20.76,13.75 20.8,13.75 arc(20.86,13.73) 20.88,13.67 20.88,13.52 arc(20.9,13.46) 20.96,13.44 21,13.44 arc(21.06,13.46) 21.08,13.52 21.08,13.67 arc(21.1,13.73) 21.16,13.75 21.2,13.75 arc(21.26,13.73) 21.28,13.67 21.28,13.52 arc(21.3,13.46) 21.36,13.44 21.4,13.44 arc(21.46,13.46) 21.48,13.52 21.48,13.67 arc(21.5,13.73) 21.56,13.75 21.6,13.75 arc(21.66,13.73) 21.68,13.67 21.68,13.52 arc(21.7,13.46) 21.76,13.44 21.8,13.44 arc(21.86,13.46) 21.88,13.52 21.88,13.67 arc(21.9,13.73) 21.96,13.75 22,13.75 arc(22.06,13.73) 22.08,13.67 22.08,13.52 arc(22.1,13.46) 22.16,13.44 22.2,13.44 arc(22.26,13.46) 22.28,13.52 22.28,13.67 arc(22.3,13.73) 22.36,13.75 22.4,13.75 arc(22.46,13.73) 22.48,13.67 22.48,13.52 arc(22.5,13.46) 22.56,13.44 22.6,13.44 arc(22.66,13.46) 22.68,13.52 22.68,13.67 arc(22.7,13.73) 22.76,13.75 23.1,13.75 25.5,16.15 25.5,18.57 26.13,19.2 27,19.2 U301.K2